# Altium PCB RS2-708_V010.PcbDoc (part 2 of 4)
Units mil, origin at the board's own origin, x right, y up, seen from the top; angles counter-clockwise.
Board outline 2677.17 x 2677.17 mil, 4 copper layers (Top Layer, Layer 1, Layer 2, Bottom Layer), stack 30.841 mil thick; 243 components, 173 nets, 854 pads, 395 vias.
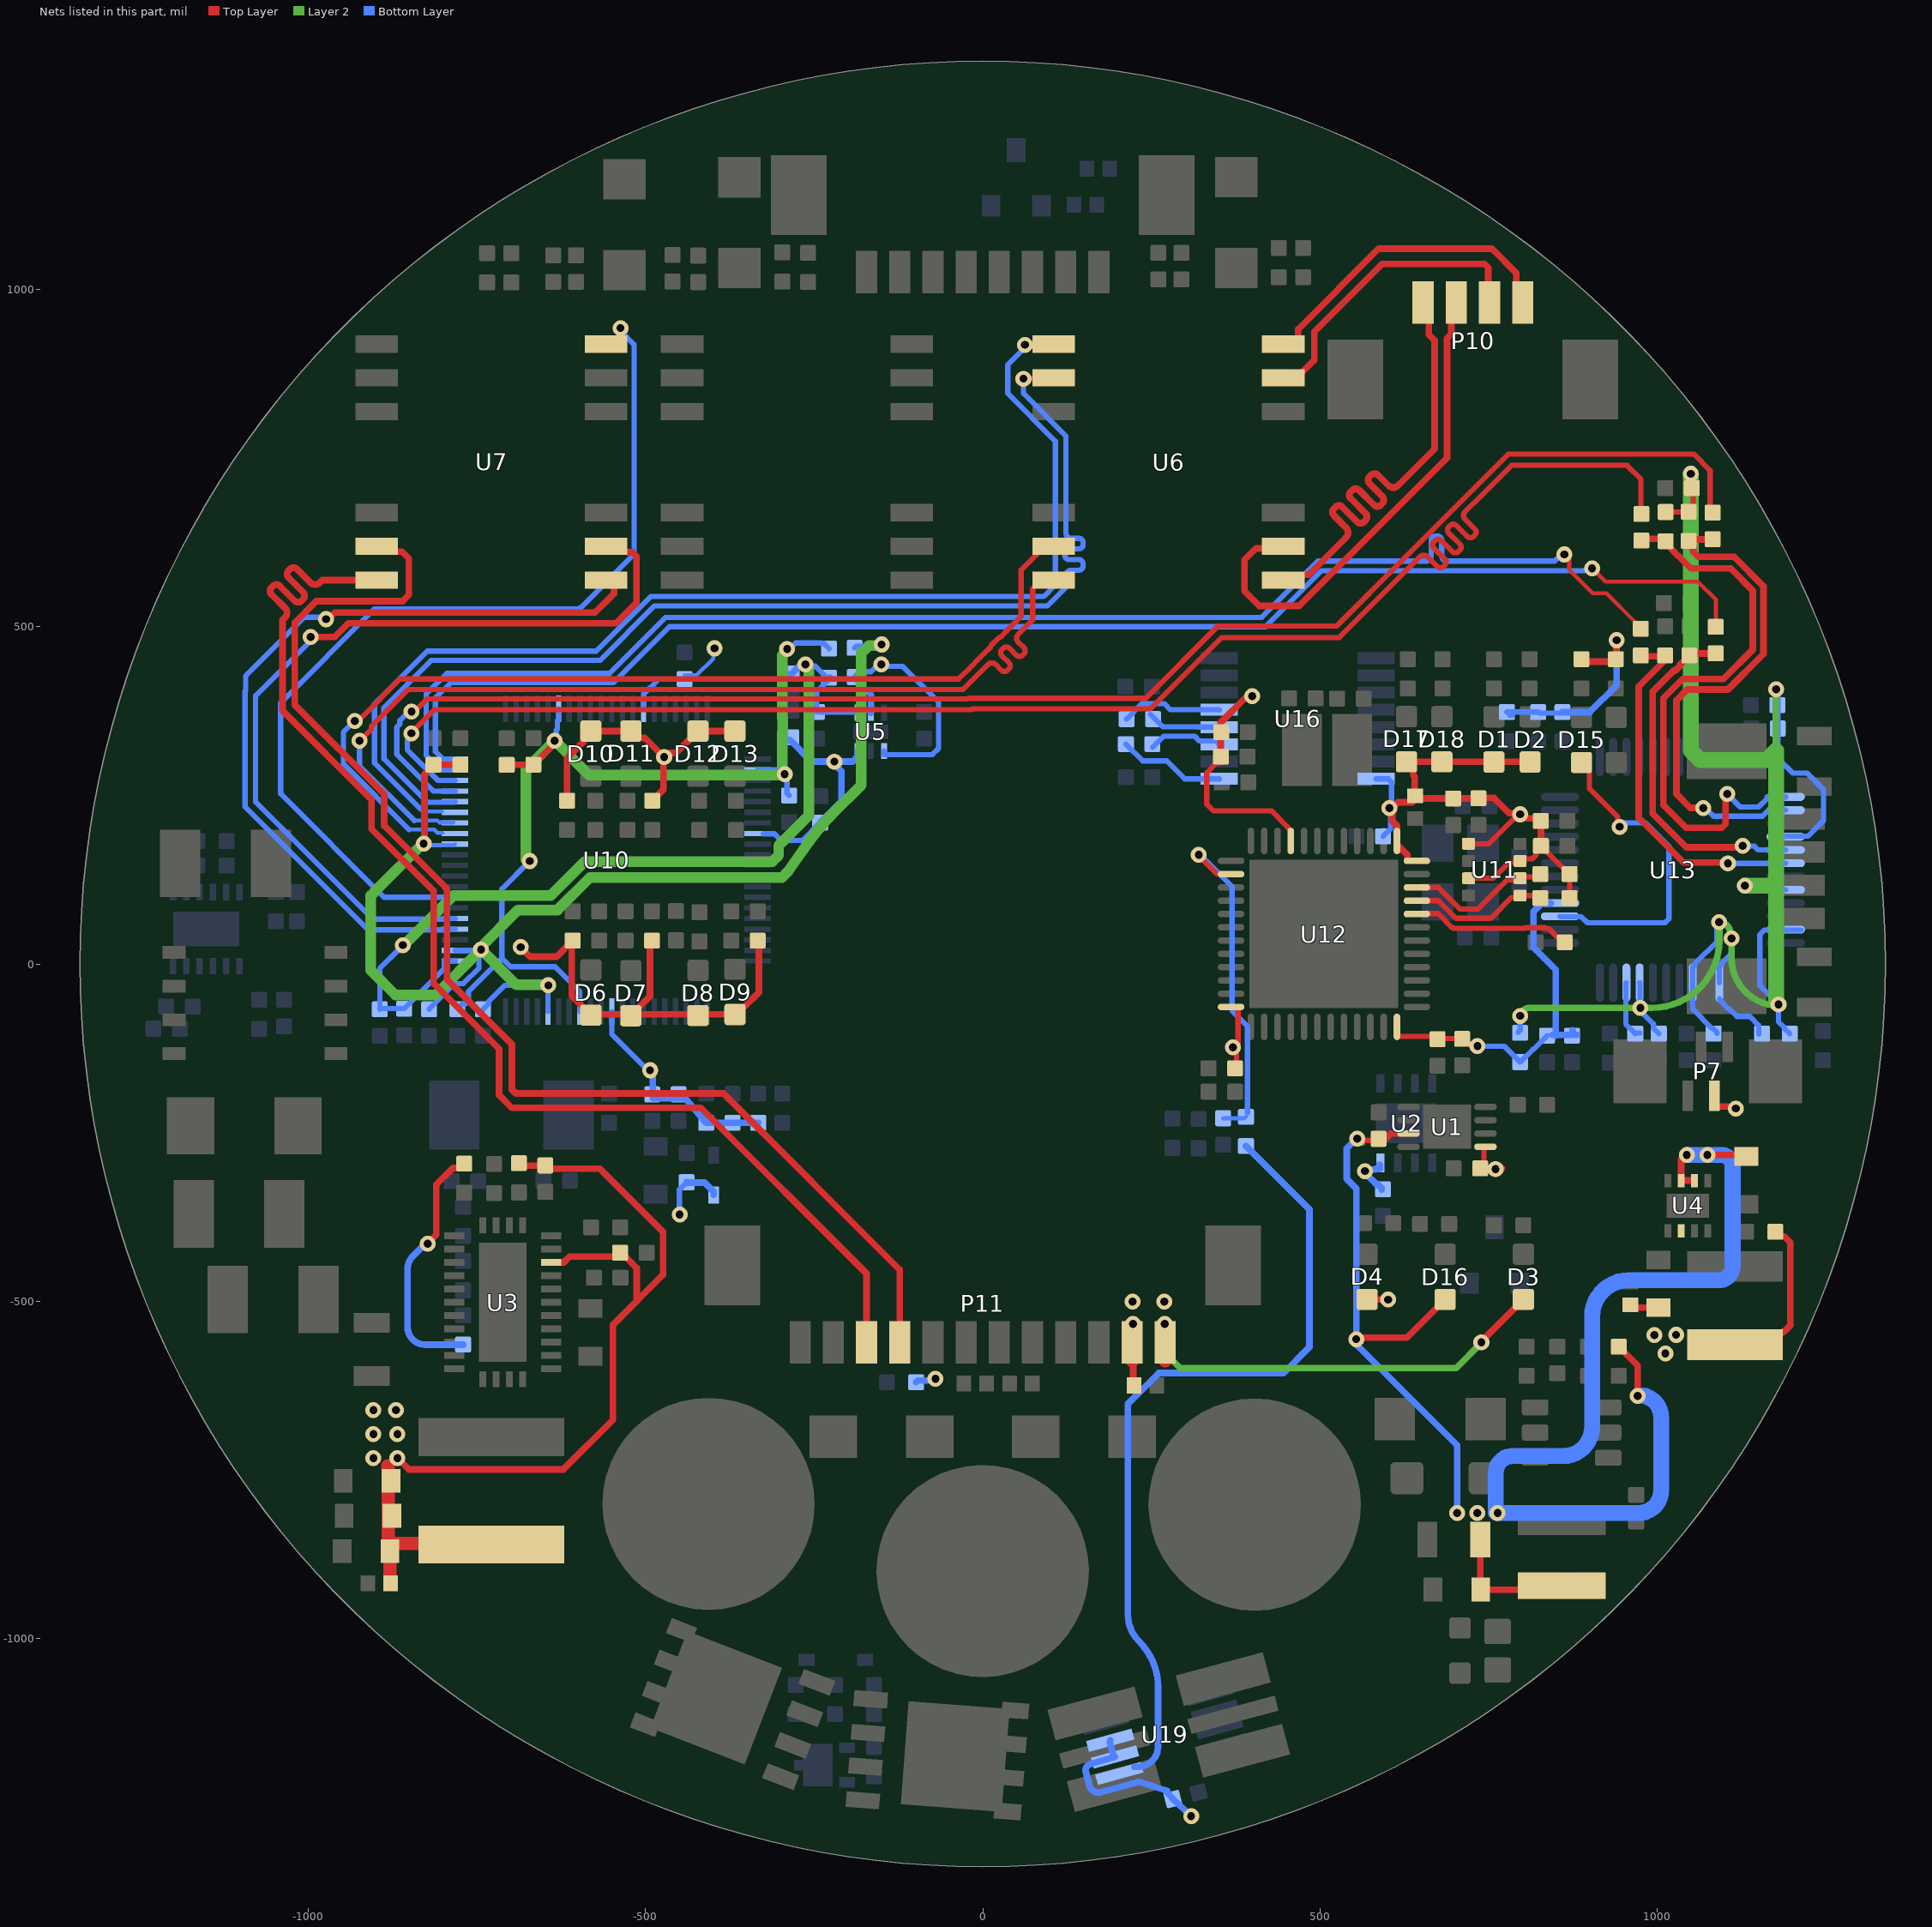
[diagram p4: the nets of this part, all layers, seen from the top]

## Part data (continued)
D20 D21: "TVS DIODE, 400W, 51V, DO-214AC, FULL REEL; Product Range:SMAJ Series; TVS Polarity:Bidirectional; Reverse Stand-Off Voltage Vrwm:51V; Diode Case Style:DO-214AC; No. of Pins:2Pins; Breakdown Voltage Min:56.7V; Packaging:Tape & Reel ;RoHS Compliant: Yes", Breakdown Voltage=56.7V, Clamping Voltage=82.4V, Leakage Current=1uA, Manufacturer 1=Littelfuse, Manufacturer Part Number 1=SMAJ51CA, Max Breakdown Voltage=62.7V, Max Operating Temperature=150°C, Max Power Dissipation=3.3W, Max Surge Current=4.9A, Min Operating Temperature=-55°C, Operating Supply Voltage=51V, Package Quantity=5000, Peak Pulse Power=400W, Power Line Protection=No, Resistor Type=Zener, Supplier Part Number 1=SMAJ51CALFCT-ND, Test Current=1mA, Category="TVS Diodes", ComponentLink1Description=https://datasheet.ciiva.com/331/littelfuse-tvs-diode-smaj-datasheet-pdf-331040.pdf?src-supplier=Digi-Key, ComponentLink1URL=https://datasheet.ciiva.com/331/littelfuse-tvs-diode-smaj-datasheet-pdf-331040.pdf?src-supplier=Digi-Key, ComponentLink2Description=https://datasheet.ciiva.com/331/littelfuse-tvs-diode-smaj-datasheet-pdf-331041.pdf?src-supplier=Digi-Key, ComponentLink2URL=https://datasheet.ciiva.com/331/littelfuse-tvs-diode-smaj-datasheet-pdf-331041.pdf?src-supplier=Digi-Key, ComponentLink3Description=https://datasheet.ciiva.com/16215/littelfuse-tvs-diode-smaj-16215707.pdf?src-supplier=Future+Electronics, ComponentLink3URL=https://datasheet.ciiva.com/16215/littelfuse-tvs-diode-smaj-16215707.pdf?src-supplier=Future+Electronics, ComponentLink4Description=https://datasheet.ciiva.com/331/littelfuse-tvs-diode-smaj-datasheet-pdf-331039.pdf?src-supplier=Digi-Key, ComponentLink4URL=https://datasheet.ciiva.com/331/littelfuse-tvs-diode-smaj-datasheet-pdf-331039.pdf?src-supplier=Digi-Key, Direction=Bidirectional, Height=2.29mm, Lead Free="Lead Free", Length=5.28mm, Min Breakdown Voltage=56.7V, Mount="Surface Mount", Number of Bidirectional Channels=1, Number of Channels=1, Number of Elements=1, Number of Pins=2, Packaging="Tape and Reel", Peak Pulse Current=4.9A, Polarity=Bidirectional, Power Dissipation=400W, Pricing 1="1=0,45000, 10=0,33600, 100=0,15950, 500=0,14136, 1000=0,11000, 2000=0,10065 (USD)", REACH SVHC="No SVHC", Reverse Breakdown Voltage=56.7V, Reverse Standoff Voltage=51V, RoHS=Yes, Stock 1=36618, Supplier 1=Digi-Key, Termination=SMD/SMT, Voltage Rating (DC)=51V, Width=2.79mm
D22 D24 D26 D29 D30: "TVS DIODE 5V 20V SLP1006P2T", Case Code (Imperial)=0402, Case Code (Metric)=1006, Clamping Voltage=20V, Leakage Current=100nA, Manufacturer 1=Semtech, Manufacturer Part Number 1=RCLAMP0531TQTCT, Max Operating Temperature=125°C, Min Breakdown Voltage=6V, Min Operating Temperature=-40°C, Package Quantity=3000, Peak Pulse Current=4A, Peak Pulse Power=80W, Power Line Protection=No, Resistor Type=Zener, Reverse Standoff Voltage=5V, Supplier Part Number 1=RCLAMP0531TQTCTCT-ND, Case/Package=0402, Category="TVS Diodes", ComponentLink1Description=https://datasheet.ciiva.com/26946/getdatasheetpartid-791156-26946873.pdf?src-supplier=Verical, ComponentLink1URL=https://datasheet.ciiva.com/26946/getdatasheetpartid-791156-26946873.pdf?src-supplier=Verical, ComponentLink2Description=https://datasheet.ciiva.com/29574/rclamp0531tq-29574060.pdf?src-supplier=Digi-Key, ComponentLink2URL=https://datasheet.ciiva.com/29574/rclamp0531tq-29574060.pdf?src-supplier=Digi-Key, Depth=0.6mm, Direction=Bidirectional, Element Configuration=Single, Lead Free="Lead Free", Length=1mm, Mount="Surface Mount", Number of Bidirectional Channels=1, Number of Pins=2, Packaging="Tape and Reel", Pricing 1="1=1,09000, 10=0,97400, 100=0,69300, 500=0,58740, 1000=0,47850 (USD)", Radiation Hardening=No, RoHS=Yes, Stock 1=9000, Supplier 1=Digi-Key, Working Voltage=5V
D23 D27 D34 D35: "TVS DIODE 12V 27V SLP1006P2T", Case Code (Imperial)=0402, Case Code (Metric)=1006, Clamping Voltage=27V, Leakage Current=50nA, Manufacturer 1=Semtech, Manufacturer Part Number 1=UCLAMP1211T.TCT, Max Operating Temperature=125°C, Min Breakdown Voltage=13.3V, Min Operating Temperature=-55°C, Package Quantity=3000, Peak Pulse Current=1A, Power Line Protection=No, Resistor Type=Zener, Reverse Standoff Voltage=12V, Supplier Part Number 1=UCLAMP1211T.TCTCT-ND, Case/Package=0402, Category="TVS Diodes", ComponentLink1Description=https://datasheet.ciiva.com/29587/uclamp1211t-29587782.pdf?src-supplier=Digi-Key, ComponentLink1URL=https://datasheet.ciiva.com/29587/uclamp1211t-29587782.pdf?src-supplier=Digi-Key, ComponentLink2Description=https://datasheet.ciiva.com/45262/uclamp1211t-45262805.pdf?src-supplier=Digi-Key, ComponentLink2URL=https://datasheet.ciiva.com/45262/uclamp1211t-45262805.pdf?src-supplier=Digi-Key, ComponentLink3Description=https://datasheet.ciiva.com/11195/uclamp1211t-11195113.pdf?src-supplier=Avnet, ComponentLink3URL=https://datasheet.ciiva.com/11195/uclamp1211t-11195113.pdf?src-supplier=Avnet, Depth=0.6mm, Direction=Bidirectional, Element Configuration=Single, Length=1mm, Mount="Surface Mount", Number of Bidirectional Channels=1, Number of Pins=2, Packaging="Tape and Reel", Pricing 1="1=0,68000, 10=0,59400, 100=0,40500, 500=0,33840, 1000=0,28800 (USD)", Radiation Hardening=No, RoHS=Yes, Stock 1=75056, Supplier 1=Digi-Key, Working Voltage=12V
D25: library part Diode_Shottky_2, "DIODE SCHOTTKY 100V 2A SOD123F", Average Rectified Current=2A, Manufacturer 1=STMicroelectronics, Manufacturer Part Number 1=STPS2H100ZF, Max Reverse Voltage (DC)=100V, Supplier Part Number 1=497-17152-1-ND, Category="Rectifier Diodes", ComponentLink1Description=http://www.farnell.com/datasheets/2236221.pdf?src-supplier=Farnell, ComponentLink1URL=http://www.farnell.com/datasheets/2236221.pdf?src-supplier=Farnell, ComponentLink2Description=http://www.st.com/content/ccc/resource/technical/document/datasheet/group3/e0/1c/dc/bb/11/47/42/2a/DM00321023/files/DM00321023.pdf/jcr:content/translations/en.DM00321023.pdf?src-supplier=Digi-Key, ComponentLink2URL=http://www.st.com/content/ccc/resource/technical/document/datasheet/group3/e0/1c/dc/bb/11/47/42/2a/DM00321023/files/DM00321023.pdf/jcr:content/translations/en.DM00321023.pdf?src-supplier=Digi-Key, Mount="Surface Mount", Packaging="Cut Tape", Pricing 1="1=0,50000, 10=0,37000, 100=0,20930, 500=0,13860, 1000=0,10626 (USD)", RoHS=Yes, RoHS Compliant=Yes, Stock 1=49302, Supplier 1=Digi-Key
D31: library part Diode_Shottky_2, "DIODE SCHOTTKY 5A 60V SMA", Average Rectified Current=5A, Case/Package=SMA, Manufacturer 1=MCC, Manufacturer Part Number 1=SK56A-LTP, Max Reverse Voltage (DC)=60V, Supplier Part Number 1=SK56A-LTPMSCT-ND, Category="Rectifier Diodes", ComponentLink1Description=http://www.mccsemi.com/up_pdf/SK52A-L-SK510A-L(DO-214AC).pdf?src-supplier=Digi-Key, ComponentLink1URL=http://www.mccsemi.com/up_pdf/SK52A-L-SK510A-L(DO-214AC).pdf?src-supplier=Digi-Key, Mount="Surface Mount", Packaging="Tape and Reel", Pricing 1="1=0,51000, 10=0,41400, 100=0,28160, 500=0,21120, 1000=0,15840, 2000=0,14520 (USD)", RoHS=Yes, RoHS Compliant=Yes, Stock 1=27361, Supplier 1=Digi-Key
D33: "ESD Suppressor TVS 24V Automotive 3-Pin SOT-23 T/R", Breakdown Voltage=27V, Capacitance=30pF, Case/Package=SOT-23, Clamping Voltage=43V, Leakage Current=100nA, Manufacturer 1=STMicroelectronics, Manufacturer Part Number 1=ESDCAN24-2BLY, Max Operating Temperature=150°C, Max Power Dissipation=230W, Min Breakdown Voltage=26.2V, Min Operating Temperature=-40°C, Package Quantity=1, Peak Pulse Current=5.5A, Power Line Protection=No, Resistor Type=Zener, Reverse Standoff Voltage=24V, Supplier Part Number 1=497-13262-1-ND, Category="TVS Diodes", ComponentLink1Description=https://datasheet.ciiva.com/22685/1786030-22685811.pdf?src-supplier=Element14, ComponentLink1URL=https://datasheet.ciiva.com/22685/1786030-22685811.pdf?src-supplier=Element14, ComponentLink2Description=https://datasheet.ciiva.com/26935/getdatasheetpartid-779627-26935935.pdf?src-supplier=Verical, ComponentLink2URL=https://datasheet.ciiva.com/26935/getdatasheetpartid-779627-26935935.pdf?src-supplier=Verical, ComponentLink3Description=https://datasheet.ciiva.com/23803/dm00037599-23803632.pdf?src-supplier=Newark, ComponentLink3URL=https://datasheet.ciiva.com/23803/dm00037599-23803632.pdf?src-supplier=Newark, ComponentLink4Description=https://datasheet.ciiva.com/12070/dm00037599-100424-12070821.pdf?src-supplier=Mouser, ComponentLink4URL=https://datasheet.ciiva.com/12070/dm00037599-100424-12070821.pdf?src-supplier=Mouser, ComponentLink5Description=https://datasheet.ciiva.com/6574/dm00037599-6574397.pdf?src-supplier=Digi-Key, ComponentLink5URL=https://datasheet.ciiva.com/6574/dm00037599-6574397.pdf?src-supplier=Digi-Key, ComponentLink6Description=https://datasheet.ciiva.com/6574/dm00037599-6574398.pdf?src-supplier=Digi-Key, ComponentLink6URL=https://datasheet.ciiva.com/6574/dm00037599-6574398.pdf?src-supplier=Digi-Key, ComponentLink7Description=https://datasheet.ciiva.com/16581/dm00037599-16581999.pdf?src-supplier=Avnet+Europe, ComponentLink7URL=https://datasheet.ciiva.com/16581/dm00037599-16581999.pdf?src-supplier=Avnet+Europe, ComponentLink8Description=https://datasheet.ciiva.com/41443/001183991-da-01-en-tvs-diode-24-esdcan24-2bly-sot-23-3l-stm-41443402.pdf?src-supplier=Conrad, ComponentLink8URL=https://datasheet.ciiva.com/41443/001183991-da-01-en-tvs-diode-24-esdcan24-2bly-sot-23-3l-stm-41443402.pdf?src-supplier=Conrad, Depth=1.3mm, Diode Type=ZENER, Direction=Bidirectional, Element Configuration=Dual, ESD Protection=Yes, Height=1.4mm, Lead Free="Lead Free", Length=2.9mm, Max Reverse Leakage Current=100nA, Mount="Surface Mount", Number of Bidirectional Channels=2, Number of Channels=2, Number of Pins=3, Packaging="Tape and Reel", Peak Pulse Power=230W, Polarity=Bidirectional, Pricing 1="1=0,40000, 10=0,31000, 100=0,18570, 500=0,17198, 1000=0,12980 (USD)", Radiation Hardening=No, REACH SVHC="No SVHC", RoHS=Yes, RoHS Compliant=Yes, Series="Automotive, AEC-Q101, ESDCAY, TRANSIL™", Stock 1=51547, Supplier 1=Digi-Key, Termination=SMD/SMT, Width=1.75mm, Working Voltage=24V
D37: "TVS DIODE 12V 21V SOT23", Breakdown Voltage=13.3V, Capacitance=45pF, Case/Package=SOT-23, Clamping Voltage=21V, Current Rating=1uA, Manufacturer 1=MCC, Max Operating Temperature=150°C, Max Power Dissipation=400W, Min Operating Temperature=-55°C, Operating Supply Voltage=12V, Package Quantity=1, Peak Pulse Current=5A, Power Line Protection=No, Resistor Type=Zener, Supplier Part Number 1=SM712-TPMSCT-ND, Category="TVS Diodes", ComponentLink1Description=https://datasheet.ciiva.com/16480/rclamp0582b-16480625.pdf?src-supplier=Future+Electronics, ComponentLink1URL=https://datasheet.ciiva.com/16480/rclamp0582b-16480625.pdf?src-supplier=Future+Electronics, ComponentLink2Description=https://datasheet.ciiva.com/29588/rclamp0582bq-29588763.pdf?src-supplier=Digi-Key, ComponentLink2URL=https://datasheet.ciiva.com/29588/rclamp0582bq-29588763.pdf?src-supplier=Digi-Key, ComponentLink3Description=https://datasheet.ciiva.com/29588/rclamp0582bq-29588764.pdf?src-supplier=Digi-Key, ComponentLink3URL=https://datasheet.ciiva.com/29588/rclamp0582bq-29588764.pdf?src-supplier=Digi-Key, ComponentLink4Description=https://datasheet.ciiva.com/29588/rclamp0582bq-29588765.pdf?src-supplier=Digi-Key, ComponentLink4URL=https://datasheet.ciiva.com/29588/rclamp0582bq-29588765.pdf?src-supplier=Digi-Key, ComponentLink5Description=https://datasheet.ciiva.com/342/sm712sot-23-342378.pdf?src-supplier=Digi-Key, ComponentLink5URL=https://datasheet.ciiva.com/342/sm712sot-23-342378.pdf?src-supplier=Digi-Key, ComponentLink6Description=https://datasheet.ciiva.com/4479/sm712sot-23-52175-4479615.pdf?src-supplier=Mouser, ComponentLink6URL=https://datasheet.ciiva.com/4479/sm712sot-23-52175-4479615.pdf?src-supplier=Mouser, ComponentLink7Description=https://datasheet.ciiva.com/342/sm712sot-23-342379.pdf?src-supplier=Digi-Key, ComponentLink7URL=https://datasheet.ciiva.com/342/sm712sot-23-342379.pdf?src-supplier=Digi-Key, ComponentLink8Description=https://datasheet.ciiva.com/17443/sm712sot-23-17443003.pdf?src-supplier=Future+Electronics, ComponentLink8URL=https://datasheet.ciiva.com/17443/sm712sot-23-17443003.pdf?src-supplier=Future+Electronics, ComponentLink9Description=https://datasheet.ciiva.com/342/sm712sot-23-342380.pdf?src-supplier=Digi-Key, ComponentLink9URL=https://datasheet.ciiva.com/342/sm712sot-23-342380.pdf?src-supplier=Digi-Key, Depth=1.4mm, Direction=Bidirectional, Element Configuration=Dual, Lead Free="Lead Free", Leakage Current=1uA, Length=3.04mm, Manufacturer Part Number 1=SM712-TP, Min Breakdown Voltage=13.3V, Mount="Surface Mount", Number of Bidirectional Channels=2, Number of Channels=2, Number of Pins=3, Packaging="Tape and Reel", Peak Pulse Power=400W, Pricing 1="1=0,99000, 10=0,88500, 100=0,63000, 500=0,53400, 1000=0,43500 (USD)", Radiation Hardening=No, Reverse Standoff Voltage=12V, RoHS=Yes, Stock 1=53074, Supplier 1=Digi-Key, Termination=SMD/SMT, Working Voltage=12V
FB1 FB2 FB3: Case/Package=0402, Case Code (Metric)=1005, Current Rating=1.3A, DC Resistance (DCR)=90mR, Manufacturer 1=Murata, Manufacturer Part Number 1=BLM15PD121SN1D, Max Operating Temperature=125°C, Min Operating Temperature=-55°C, Package Quantity=1, Supplier Part Number 1=490-5203-1-ND, Test Frequency=100MHz, Tolerance=25%, Case Code (Imperial)=0402, ComponentLink1Description=https://datasheet.ciiva.com/18093/getdatasheetpartid-195858-18093157.pdf?src-supplier=Verical, ComponentLink1URL=https://datasheet.ciiva.com/18093/getdatasheetpartid-195858-18093157.pdf?src-supplier=Verical, ComponentLink2Description=https://datasheet.ciiva.com/11800/0900766b811b5866-11800860.pdf?src-supplier=RSComponents, ComponentLink2URL=https://datasheet.ciiva.com/11800/0900766b811b5866-11800860.pdf?src-supplier=RSComponents, ComponentLink3Description=https://datasheet.ciiva.com/41425/001171686-da-01-en-chip-drossel0402-120r-1300ma-1-0x0-5mm-41425776.pdf?src-supplier=Conrad, ComponentLink3URL=https://datasheet.ciiva.com/41425/001171686-da-01-en-chip-drossel0402-120r-1300ma-1-0x0-5mm-41425776.pdf?src-supplier=Conrad, ComponentLink4Description=https://datasheet.ciiva.com/41449/001172205-da-01-en-drossel-0402-120r-11-0x0-5mm-10000st-41449495.pdf?src-supplier=Conrad, ComponentLink4URL=https://datasheet.ciiva.com/41449/001172205-da-01-en-drossel-0402-120r-11-0x0-5mm-10000st-41449495.pdf?src-supplier=Conrad, ComponentLink5Description=https://datasheet.ciiva.com/1012/l0110e-1012434.pdf?src-supplier=Digi-Key, ComponentLink5URL=https://datasheet.ciiva.com/1012/l0110e-1012434.pdf?src-supplier=Digi-Key, ComponentLink6Description=https://datasheet.ciiva.com/1012/l0110e-1012435.pdf?src-supplier=Digi-Key, ComponentLink6URL=https://datasheet.ciiva.com/1012/l0110e-1012435.pdf?src-supplier=Digi-Key, ComponentLink7Description=https://datasheet.ciiva.com/1012/l0110e-1012436.pdf?src-supplier=Digi-Key, ComponentLink7URL=https://datasheet.ciiva.com/1012/l0110e-1012436.pdf?src-supplier=Digi-Key, Core Material=Ferrite, DC Current=1.3A, Depth=0.55mm, Height=0.5mm, Impedance=120R, Lead Free="Lead Free", Length=1mm, Material=Steel,Ferrite, Max Current Rating=1.3A, Max DC Current=1.3A, Military Standard=Not, Number of Circuits=1, Number of Lines=1, Number of Pins=2, Packaging="Tape and Reel", Pricing 1="1=0,12000, 10=0,09600, 25=0,08680, 50=0,06360, 100=0,05490, 250=0,04332, 500=0,03658, 1000=0,03080, 5000=0,02743 (USD)", Radiation Hardening=No, REACH SVHC="No SVHC", RoHS=Yes, Stock 1=239261, Supplier 1=Digi-Key, Termination=SMD/SMT, Width=0.5mm
L1: "COILCRAFT - XAL6060-822MEC - Power Inductor (SMD), 8.2 µH, 8 A, Shielded, 8.4 A, XAL6060 Series, 6.56mm x 6.36mm x 6.1mm", Case/Package=SMD/SMT, DC Resistance (DCR)=26.4mR, Inductance=8.2uH, Inductance Tolerance=20%, Manufacturer 1=Coilcraft, Manufacturer Part Number 1=XAL6060-822MEC, Max DC Current=8A, Max Operating Temperature=125°C, Min Operating Temperature=-40°C, Package Quantity=250, Saturation Current=8.4A, Self Resonant Frequency=16MHz, Supplier Part Number 1=994-XAL6060-822MEC, Test Frequency=100kHz, Category="Fixed Inductors", ComponentLink1Description=https://datasheet.ciiva.com/13277/xal60xx-270658-13277238.pdf?src-supplier=Mouser, ComponentLink1URL=https://datasheet.ciiva.com/13277/xal60xx-270658-13277238.pdf?src-supplier=Mouser, Core Material=Composite, Height=6.1mm, Lead Free="Contains Lead", Length=6.76mm, Mount="Surface Mount", Packaging="Tape and Reel", Pricing 1="1=2,58000, 10=2,58000, 50=2,58000, 100=2,25000, 1000=1,18000, 10000=1,10000 (USD)", REACH SVHC=Unknown, RMS Current (Irms)=8A, RoHS=Yes, RoHS Compliant=Yes, Series=XAL6060, Shielding=Shielded, Stock 1=784, Supplier 1=Mouser, Termination=SMD/SMT, Tolerance=20%, Width=6.56mm
L2: Case/Package=1515, Current Rating=3A, DC Resistance (DCR)=45mR, Inductance=2.2uH, Inductance Tolerance=20%, Manufacturer 1="Vishay Dale", Manufacturer Part Number 1=IFSC1515AHER2R2M01, Max Operating Temperature=125°C, Min Operating Temperature=-55°C, Package Quantity=2000, Supplier Part Number 1=541-1404-1-ND, Test Frequency=100kHz, ComponentLink1Description=https://datasheet.ciiva.com/8017/sc15ah01-8017541.pdf?src-supplier=Element14, ComponentLink1URL=https://datasheet.ciiva.com/8017/sc15ah01-8017541.pdf?src-supplier=Element14, ComponentLink2Description=https://datasheet.ciiva.com/8495/sc15ah01-8495050.pdf?src-supplier=Avnet, ComponentLink2URL=https://datasheet.ciiva.com/8495/sc15ah01-8495050.pdf?src-supplier=Avnet, ComponentLink3Description=https://datasheet.ciiva.com/6702/sc15ah01-6702123.pdf?src-supplier=Digi-Key, ComponentLink3URL=https://datasheet.ciiva.com/6702/sc15ah01-6702123.pdf?src-supplier=Digi-Key, ComponentLink4Description=https://datasheet.ciiva.com/6702/sc15ah01-6702124.pdf?src-supplier=Digi-Key, ComponentLink4URL=https://datasheet.ciiva.com/6702/sc15ah01-6702124.pdf?src-supplier=Digi-Key, ComponentLink5Description=https://datasheet.ciiva.com/46395/1913058-46395301.pdf?src-supplier=Element14, ComponentLink5URL=https://datasheet.ciiva.com/46395/1913058-46395301.pdf?src-supplier=Element14, ComponentLink6Description=https://datasheet.ciiva.com/22726/1730404-22726056.pdf?src-supplier=Element14, ComponentLink6URL=https://datasheet.ciiva.com/22726/1730404-22726056.pdf?src-supplier=Element14, ComponentLink7Description=https://datasheet.ciiva.com/6702/sc15ah01-6702125.pdf?src-supplier=Digi-Key, ComponentLink7URL=https://datasheet.ciiva.com/6702/sc15ah01-6702125.pdf?src-supplier=Digi-Key, Contact Plating=Tin, Depth=4mm, Height=1.8mm, Height - Seated (Max)=0.075inch, Lead Free="Lead Free", Length=4mm, Max DC Current=3A, Military Standard=Not, Mount="Surface Mount", Number of Pins=2, Packaging="Tape and Reel", Pricing 1="1=0,64000, 10=0,55900, 100=0,39960, 500=0,33568, 1000=0,27175 (USD)", REACH SVHC=Unknown, RMS Current (Irms)=3A, RoHS=Yes, Saturation Current=3A, Shielding=Shielded, Stock 1=79626, Supplier 1=Digi-Key, Termination=SMD/SMT, Tolerance=20%, Width=3.8mm
L3: "FIXED IND 15UH 1.45A 132 MOHM", Case/Package=Nonstandard, Current Rating=1.45A, DC Resistance (DCR)=132mR, Inductance=15uH, Manufacturer 1="Wurth Electronics", Manufacturer Part Number 1=74404043150A, Max Operating Temperature=125°C, Min Operating Temperature=-40°C, Resistor Type=Wirewound, Saturation Current=840mA, Self Resonant Frequency=33MHz, Supplier Part Number 1=732-10760-1-ND, Test Frequency=100kHz, Tolerance=20%, Category="Fixed Inductors", ComponentLink1Description=http://www.farnell.com/datasheets/2277224.pdf?src-supplier=Farnell, ComponentLink1URL=http://www.farnell.com/datasheets/2277224.pdf?src-supplier=Farnell, ComponentLink2Description=https://katalog.we-online.de/pbs/datasheet/74404043150A.pdf?src-supplier=Digi-Key, ComponentLink2URL=https://katalog.we-online.de/pbs/datasheet/74404043150A.pdf?src-supplier=Digi-Key, Core Material=Ferrite, Mount="Surface Mount", Packaging="Cut Tape", Pricing 1="1=0,60000, 50=0,49580, 100=0,37690, 1000=0,32728 (USD)", RoHS=Yes, RoHS Compliant=Yes, Shielding=Shielded, Stock 1=10986, Supplier 1=Digi-Key
P1 P6 P9: library part 7466113, "POWER ELEMENT SHANK", Current Rating=50A, Manufacturer 1="Wurth Electronics", Package Quantity=100, Supplier Part Number 1=732-5246-ND, Category=Terminals, ComponentLink1Description=https://datasheet.ciiva.com/29669/7466113-29669842.pdf?src-supplier=Digi-Key, ComponentLink1URL=https://datasheet.ciiva.com/29669/7466113-29669842.pdf?src-supplier=Digi-Key, Contact Material=Brass, Contact Plating=Tin, Length=7mm, Manufacturer Part Number 1=7466113, Mount="Surface Mount", Number of Contacts=1, Number of Pins=1, Pricing 1="1=2,48000, 10=2,35200, 50=2,12800, 100=1,90400, 500=1,72500 (USD)", REACH SVHC=Unknown, RoHS=Yes, Stock 1=680, Supplier 1=Digi-Key, Termination=Solder, Thread Size=M3
P5: library part 532617008, "8POS Picoblade 1.25mm", Manufacturer=Molex, Manufacturer Part Number=0532617008, Stock 1=5950, Supplier 1=Digi-Key
P7: library part AFC11-S04ICC-00, "4 pin FFC connector,0.5mm pitch, 0.5A", Component Type="4 Position FPC Connector Contacts, Top and Bottom 0.020\" (0.50mm) Surface Mount, Vertical Angle", Manufacturer Part Number=AFC11-S04ICC-00
P8 P10: library part 0532617004, "4POS Picoblade 1.25mm", Manufacturer=Molex, Supplier Part Number 1=WM25390CT-ND, Manufacturer Part Number=0532617004, Stock 1=5685, Supplier 1=Digi-Key
P11: library part 532611271, "Conn.;  Rect/PCB;  Header;  W-to-B;  1.25mmPitch;  12 Cir.; SMT;  Rt. Angle;  PicoBlade", Color=Natural, Contact Resistance=20mR, Current Rating=1A, Insulation Resistance=100MR, Manufacturer 1=Molex, Manufacturer Part Number 1=53261-1271, Max Operating Temperature=85°C, Min Operating Temperature=-40°C, Package Quantity=1000, Supplier Part Number 1=WM7630CT-ND, Voltage Rating=125V, Body Plating=Tin, Category="Headers and Wire Housings", ComponentLink1Description=https://datasheet.ciiva.com/22704/1841148-22704823.pdf?src-supplier=Element14, ComponentLink1URL=https://datasheet.ciiva.com/22704/1841148-22704823.pdf?src-supplier=Element14, ComponentLink2Description=https://datasheet.ciiva.com/16657/0532611271-pcb-headers-16657841.pdf?src-supplier=Avnet+Europe, ComponentLink2URL=https://datasheet.ciiva.com/16657/0532611271-pcb-headers-16657841.pdf?src-supplier=Avnet+Europe, ComponentLink3Description=https://datasheet.ciiva.com/5156/0532611271-pcb-headers-256968-5156358.pdf?src-supplier=Mouser, ComponentLink3URL=https://datasheet.ciiva.com/5156/0532611271-pcb-headers-256968-5156358.pdf?src-supplier=Mouser, ComponentLink4Description=https://datasheet.ciiva.com/11749/0900766b8078fc82-11749268.pdf?src-supplier=RSComponents, ComponentLink4URL=https://datasheet.ciiva.com/11749/0900766b8078fc82-11749268.pdf?src-supplier=RSComponents, ComponentLink5Description=https://datasheet.ciiva.com/7814/1739297-7814874.pdf?src-supplier=Element14, ComponentLink5URL=https://datasheet.ciiva.com/7814/1739297-7814874.pdf?src-supplier=Element14, ComponentLink6Description=https://datasheet.ciiva.com/14488/1768013-14488444.pdf?src-supplier=Farnell, ComponentLink6URL=https://datasheet.ciiva.com/14488/1768013-14488444.pdf?src-supplier=Farnell, ComponentLink7Description=https://datasheet.ciiva.com/10083/0532611271-pcb-headers-10083068.pdf?src-supplier=Avnet, ComponentLink7URL=https://datasheet.ciiva.com/10083/0532611271-pcb-headers-10083068.pdf?src-supplier=Avnet, Contact Material=Bronze,Tin,Brass, Contact Plating=Tin, Contact Type="Blade Pin", Depth=5.2mm, Gender=Male, Glow Wire Compliant=Non-compliant, Housing Color=Natural, Housing Material=Nylon, Lead Free="Lead Free", Lead Pitch=1.25mm, Mount="Surface Mount", Number of Circuits=12, Number of Contacts=12, Number of Positions=12, Number of Rows=1, Orientation="Right Angle", Packaging="Tape and Reel", Pitch=1.25mm, Pricing 1="1=1,08000, 10=0,89000, 100=0,74200 (USD)", Radiation Hardening=No, REACH SVHC=Unknown, RoHS=Yes, RoHS Compliant=Yes, Series=PicoBlade, Stock 1=3806, Supplier 1=Digi-Key, Termination=Solder, Voltage Rating (AC)=125V, Voltage Rating (DC)=125V, Working Voltage=125V